# KiCad board SparkFun_GNSS_mosaic-T_panelized.kicad_pcb (continued)
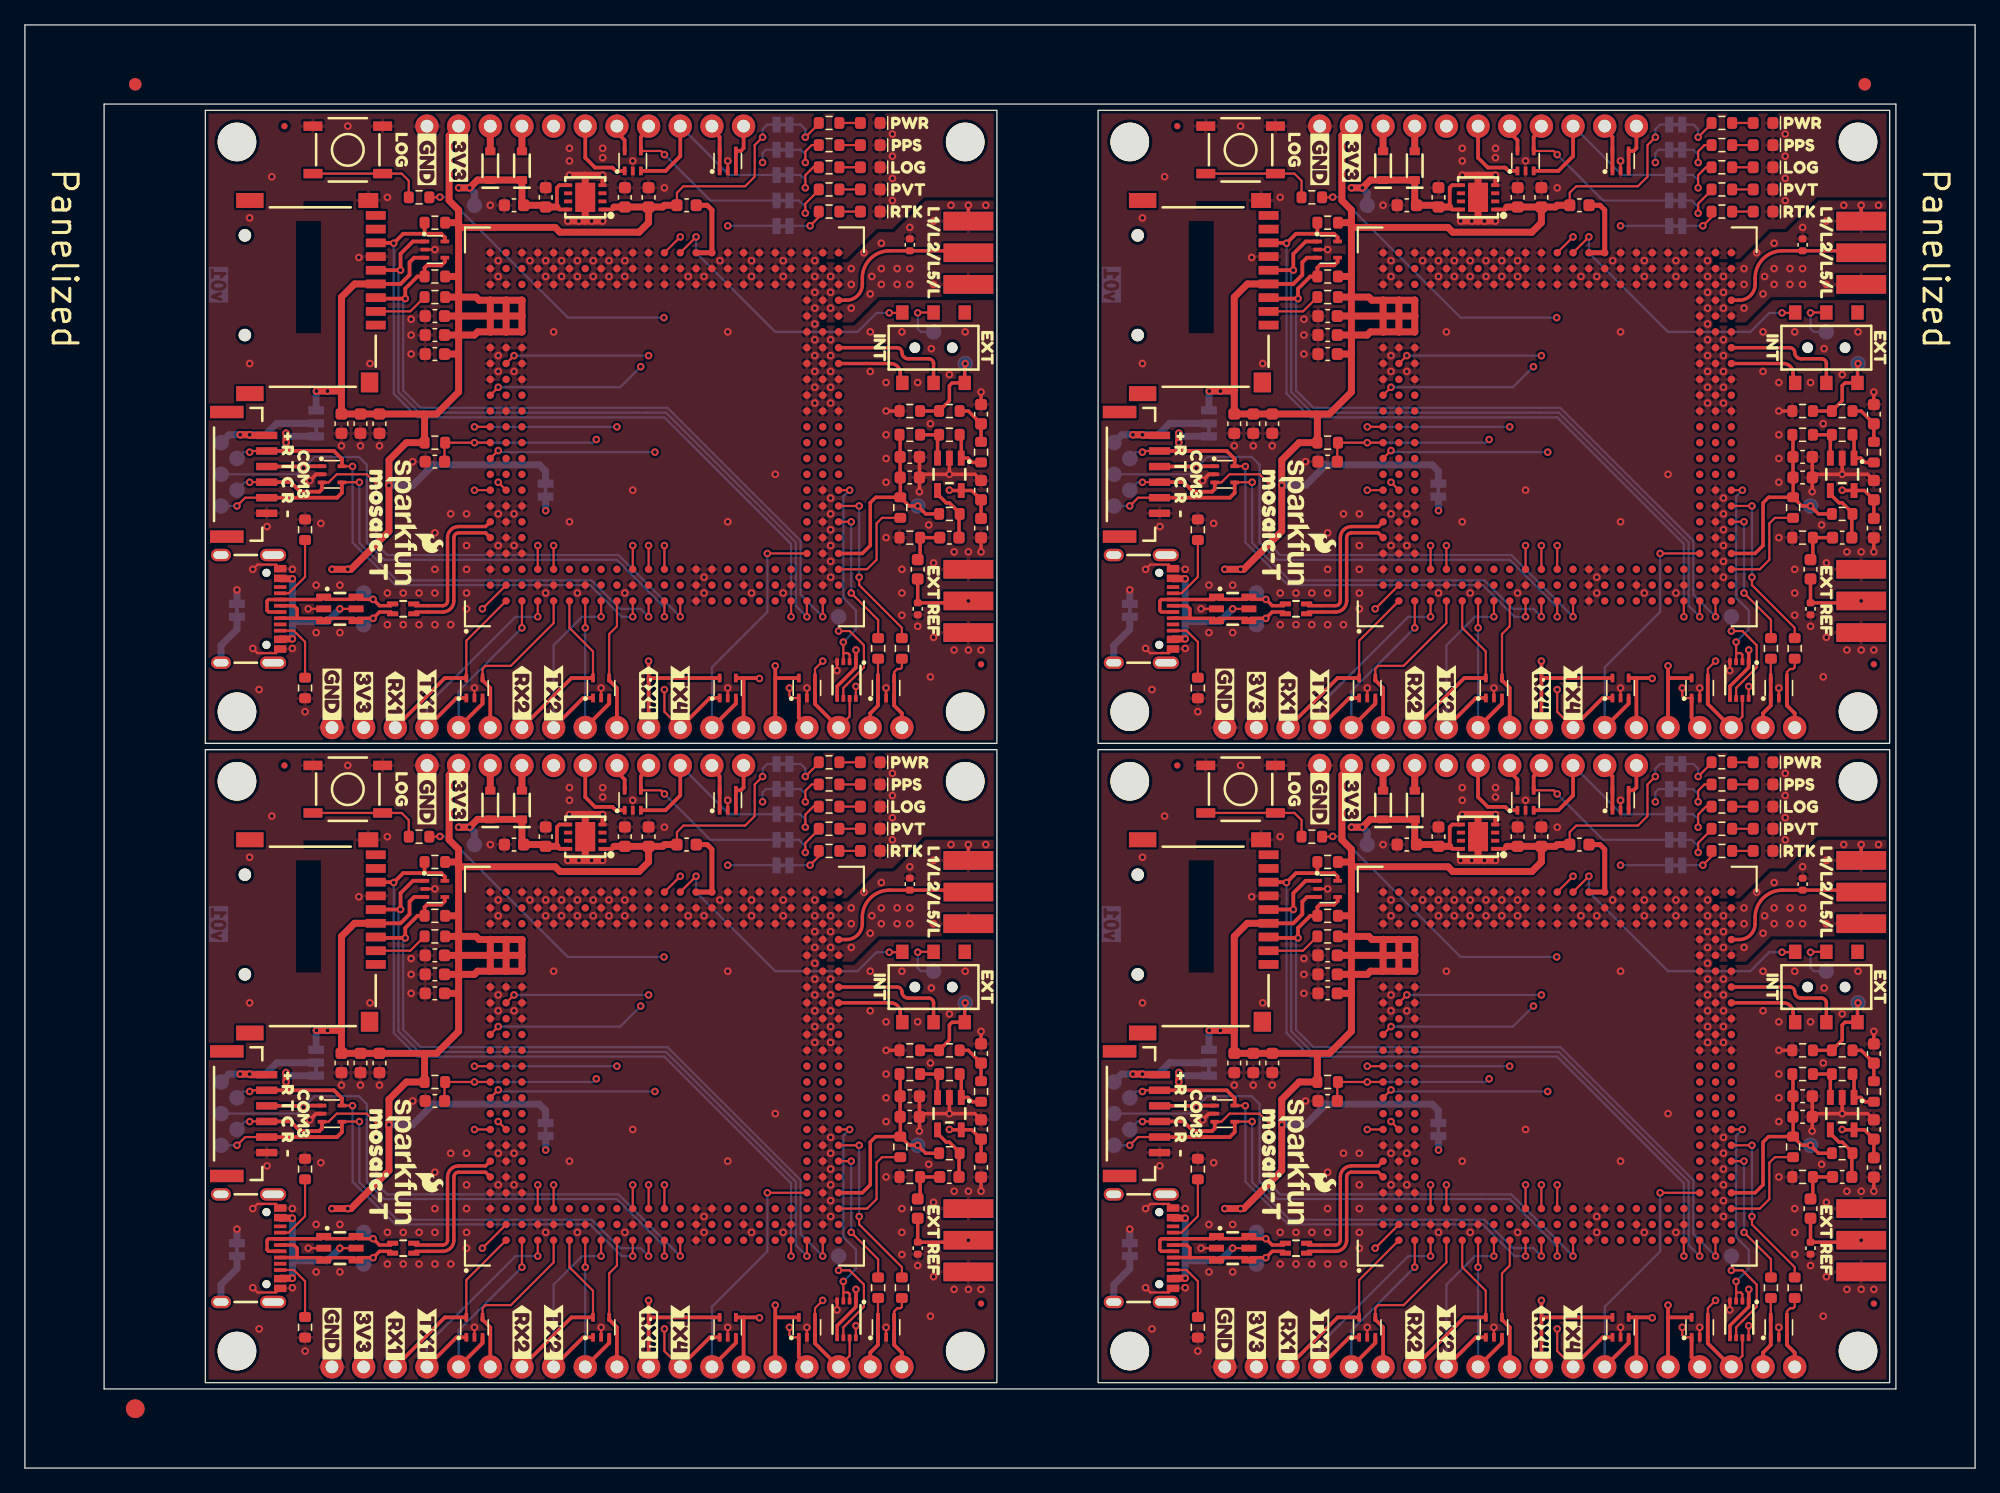
[diagram p0: board, top side]
## Routing (per net, layer and track width the routed paths; a pad name or vN(x,y) marks a point on that pad's centre or on a via; arc(x,y) is an arc through that point) (continued)
  Top w0.305: D14#4.5 25.43,80.97 24.79,81.62 J5#3.2 ; D14#3.5 97.05,29.67 96.41,30.31 J5#4.2 ; D14.5 97.05,80.97 96.41,81.62 J5.2 ; J5#2.2 24.79,30.31 25.43,29.67 D14#2.5
  Bottom w0.178: TP7.1 17.52,30.22 v1(18.03,30.22) ; TP7#3.1 17.52,81.52 v1(18.03,81.52) ; TP7#2.1 89.14,81.52 v1(89.65,81.52) ; v1(120.38,68.31) 119.49,68.31 116.95,70.85 101.33,70.85 97.9,74.28 v1(97.9,80.38) ; v1(48.76,17.01) 47.87,17.01 45.33,19.55 29.71,19.55 26.28,22.98 v1(26.28,29.08) ; v1(97.9,29.08) 97.9,22.98 101.33,19.55 116.95,19.55 119.49,17.01 v1(120.38,17.01) ; v1(48.76,68.31) 47.87,68.31 45.33,70.85 29.71,70.85 26.28,74.28 v1(26.28,80.38) ; TP7#4.1 89.14,30.22 v1(89.65,30.22)
RX4: length 113.8
  Top w0.178: U1#3.D3 v1(41.14,74.03) ; U1.D3 v1(41.14,22.73) ; U1#2.D3 v1(112.76,22.73) ; U1#4.D3 v1(112.76,74.03)
  Top w0.305: v1(50.03,64.75) 50.03,63.36 ; 50.03,63.36 50.07,63.39 D11#4.5 ; 50.03,63.36 J4#3.11 ; 121.65,63.36 121.69,63.39 D11.5 ; 121.65,63.36 J4#4.11 ; 121.65,63.36 v1(121.65,64.75) ; 50.03,12.06 J4.11 ; 50.03,12.06 50.07,12.09 D11#3.5 ; 50.03,12.06 v1(50.03,13.45) ; 121.65,12.06 J4#2.11 ; 121.65,12.06 121.69,12.09 D11#2.5 ; 121.65,12.06 v1(121.65,13.45)
  L3.Cu w0.178: v1(41.14,22.73) 41.14,18.03 45.71,13.45 v1(50.03,13.45) ; v1(41.14,74.03) 41.14,69.33 45.71,64.75 v1(50.03,64.75) ; v1(112.76,74.03) 112.76,69.33 117.33,64.75 v1(121.65,64.75) ; v1(121.65,13.45) 117.33,13.45 112.76,18.03 v1(112.76,22.73)
SD_CLK: length 240
  Top w0.178: U1.AA1 v1(62.73,17.01) ; v1(30.13,44.82) 30.12,44.81 ; v1(101.75,44.82) 101.74,44.81 ; U1#3.AA1 v1(62.73,68.31) ; U1#4.AA1 v1(134.35,68.31) ; v1(101.75,96.12) 101.74,96.11 ; U1#2.AA1 v1(134.35,17.01) ; v1(30.13,96.12) 30.12,96.11
  Top w0.305: J1.5 28.15,96.12 v1(30.13,96.12) 30.13,97.43 31.12,98.42 D1#2.1 ; J1#2.5 99.77,96.12 v1(101.75,96.12) 101.75,97.43 102.74,98.42 D1#3.1 ; D1.1 31.12,47.12 30.13,46.13 v1(30.13,44.82) 28.15,44.82 J1#3.5 ; D1#4.1 102.74,47.12 101.75,46.13 v1(101.75,44.82) 99.77,44.82 J1#4.5
  Bottom w0.178: v1(62.73,17.01) 61.84,17.9 61.84,22.98 51.43,33.39 31.62,33.39 29.96,35.04 29.96,44.66 v1(30.13,44.82) ; v1(62.73,68.31) 61.84,69.2 61.84,74.28 51.43,84.69 31.62,84.69 29.96,86.34 29.96,95.96 v1(30.13,96.12) ; v1(101.75,44.82) 101.58,44.66 101.58,35.04 103.24,33.39 123.05,33.39 133.46,22.98 133.46,17.9 v1(134.35,17.01) ; v1(101.75,96.12) 101.58,95.96 101.58,86.34 103.24,84.69 123.05,84.69 133.46,74.28 133.46,69.2 v1(134.35,68.31)
SD_CMD: length 242.1
  Top w0.178: U1#2.AB1 v1(135.62,17.01) ; v1(102.13,42.54) 102.05,42.61 ; v1(102.13,93.84) 102.05,93.91 ; U1#4.AB1 v1(135.62,68.31) ; U1.AB1 v1(64,17.01) ; v1(30.51,93.84) 30.43,93.91 ; U1#3.AB1 v1(64,68.31) ; v1(30.51,42.54) 30.43,42.61
  Top w0.305: D1#4.4 105.31,45.5 105.01,45.2 103.87,45.2 103.68,45.01 R2.1 103.11,44.31 102.13,43.34 v1(102.13,42.54) 99.84,42.54 J1#4.3 ; J1#2.3 99.84,93.84 v1(102.13,93.84) 102.13,94.64 103.11,95.62 R2#2.1 103.68,96.31 103.87,96.5 105.01,96.5 105.31,96.8 D1#3.4 ; J1.3 28.22,93.84 v1(30.51,93.84) 30.51,94.64 31.49,95.62 R2#3.1 32.06,96.31 32.25,96.5 33.39,96.5 33.69,96.8 33.69,97.12 ; J1#3.3 28.22,42.54 v1(30.51,42.54) 30.51,43.34 31.49,44.31 R2#4.1 32.06,45.01 32.25,45.2 33.39,45.2 33.69,45.5 33.69,45.82
  Bottom w0.178: v1(135.62,68.31) 133.84,70.09 133.84,74.41 123.17,85.07 103.36,85.07 101.97,86.47 101.97,93.67 v1(102.13,93.84) ; v1(135.62,17.01) 133.84,18.79 133.84,23.11 123.17,33.77 103.36,33.77 101.97,35.17 101.97,42.37 v1(102.13,42.54) ; v1(64,68.31) 62.22,70.09 62.22,74.41 51.55,85.07 31.74,85.07 30.34,86.47 30.34,93.67 v1(30.51,93.84) ; v1(30.51,42.54) 30.34,42.37 30.34,35.17 31.74,33.77 51.55,33.77 62.22,23.11 62.22,18.79 v1(64,17.01)
SD_DATA: length 253.2
  Top w0.178: 99.8,98.28 J1#2.7 ; U1.Y1 v1(61.46,17.01) ; U1#3.Y1 v1(61.46,68.31) ; U1#4.Y1 v1(133.08,68.31) ; 99.8,46.98 J1#4.7 ; 28.18,46.98 J1#3.7 ; 28.18,98.28 J1.7 ; U1#2.Y1 v1(133.08,17.01)
  Top w0.305: 33.69,98.42 33.69,98.75 33.39,99.04 32.06,99.04 ; 32.06,47.74 R1#2.1 ; 32.06,47.74 30.34,47.74 v1(29.58,46.98) 29.55,47.01 J1#3.7 ; 32.06,47.74 33.39,47.74 33.69,47.45 33.69,47.12 ; 103.68,47.74 R1.1 ; 103.68,47.74 101.97,47.74 v1(101.2,46.98) 101.17,47.01 J1#4.7 ; 103.68,47.74 105.01,47.74 105.31,47.45 D1#4.5 ; J1.7 29.55,98.31 v1(29.58,98.28) 30.34,99.04 32.06,99.04 ; J1#2.7 101.17,98.31 v1(101.2,98.28) 101.97,99.04 103.68,99.04 ; 32.06,99.04 R1#4.1 ; 103.68,99.04 R1#3.1 ; 103.68,99.04 105.01,99.04 105.31,98.75 D1#3.5
  Bottom w0.178: v1(61.46,17.01) 61.46,22.85 51.3,33.01 31.49,33.01 29.58,34.92 v1(29.58,46.98) ; v1(61.46,68.31) 61.46,74.15 51.3,84.31 31.49,84.31 29.58,86.22 v1(29.58,98.28) ; v1(133.08,17.01) 133.08,22.85 122.92,33.01 103.11,33.01 101.2,34.92 v1(101.2,46.98) ; v1(133.08,68.31) 133.08,74.15 122.92,84.31 103.11,84.31 101.2,86.22 v1(101.2,98.28)
TX1: length 76.1
  Top w0.178: U1#3.D1 v1(41.14,68.31) ; U1.D1 v1(41.14,17.01) ; U1#2.D1 v1(112.76,17.01) ; U1#4.D1 v1(112.76,68.31)
  Top w0.305: D13.1 34.62,10.5 J4.4 ; J4#4.4 106.25,61.8 D13#4.1 ; D13#2.1 106.25,10.5 J4#2.4 ; J4#3.4 34.62,61.8 D13#3.1
  Bottom w0.178: J4#2.4 103.87,9.9 110.98,17.01 v1(112.76,17.01) ; J4.4 32.25,9.9 39.36,17.01 v1(41.14,17.01) ; v1(112.76,68.31) 110.98,68.31 103.87,61.2 J4#4.4 ; J4#3.4 32.25,61.2 39.36,68.31 v1(41.14,68.31)
TX2: length 67.1
  Top w0.178: U1#4.H1 v1(117.84,68.31) ; U1#2.H1 v1(117.84,17.01) ; U1#3.H1 v1(46.22,68.31) ; U1.H1 v1(46.22,17.01)
  Top w0.305: J4.8 44.78,10.5 D12#3.1 ; J4#4.8 116.41,61.8 D12#4.1 ; D12#2.1 44.78,61.8 J4#3.8 ; J4#2.8 116.41,10.5 D12.1
  Bottom w0.178: J4#2.8 114.03,14.72 116.32,17.01 v1(117.84,17.01) ; J4.8 42.41,14.72 44.7,17.01 v1(46.22,17.01) ; J4#4.8 114.03,66.02 116.32,68.31 v1(117.84,68.31) ; v1(46.22,68.31) 44.7,68.31 42.41,66.02 J4#3.8
TX3: length 205.4
  Top w0.178: U1.M1 v1(51.3,17.01) ; U1#2.M1 v1(122.92,17.01) ; U1#3.M1 v1(51.3,68.31) ; U1#4.M1 v1(122.92,68.31)
  Top w0.305: J5#4.3 93.85,29.06 v1(93.96,28.95) 94.11,29.09 D14#3.1 ; D14#4.1 22.49,80.39 v1(22.34,80.25) 22.23,80.37 J5#3.3 ; D14.1 94.11,80.39 v1(93.96,80.25) 93.85,80.37 J5.3 ; D14#2.1 22.49,29.09 v1(22.34,28.95) 22.23,29.06 J5#2.3
  Bottom w0.178: TP6#3.1 93.46,79.74 v1(93.96,80.25) 94.85,81.14 98.41,81.14 99.04,80.5 99.04,74.28 100.44,72.88 119.11,72.88 122.92,69.07 v1(122.92,68.31) ; TP6#2.1 21.84,28.44 v1(22.34,28.95) 23.23,29.84 26.79,29.84 27.42,29.2 27.42,22.98 28.82,21.58 47.49,21.58 51.3,17.77 v1(51.3,17.01) ; TP6#4.1 93.46,28.44 v1(93.96,28.95) 94.85,29.84 98.41,29.84 99.04,29.2 99.04,22.98 100.44,21.58 119.11,21.58 122.92,17.77 v1(122.92,17.01) ; v1(51.3,68.31) 51.3,69.07 47.49,72.88 28.82,72.88 27.42,74.28 27.42,80.5 26.79,81.14 23.23,81.14 v1(22.34,80.25) 21.84,79.74 TP6.1
TX4: length 111
  Top w0.178: J4.12 51.3,9.39 v1(51.3,11.17) ; v1(122.92,62.47) 122.92,60.69 J4#4.12 ; U1#3.E3 v1(42.41,74.03) ; v1(51.3,62.47) 51.3,60.69 J4#3.12 ; U1#4.E3 v1(114.03,74.03) ; U1.E3 v1(42.41,22.73) ; J4#2.12 122.92,9.39 v1(122.92,11.17) ; U1#2.E3 v1(114.03,22.73)
  Top w0.305: 124.06,8.12 J4#2.12 126.56,10.5 D11#2.1 ; D11#4.1 54.94,61.8 J4#3.12 52.44,59.42 ; 124.06,59.42 J4#4.12 126.56,61.8 D11.1 ; 52.44,8.12 J4.12 54.94,10.5 D11#3.1
  L3.Cu w0.178: v1(42.41,74.03) 42.41,68.69 45.8,65.3 50.5,65.3 51.3,64.5 v1(51.3,62.47) ; v1(51.3,11.17) 51.3,13.2 50.5,14 45.8,14 42.41,17.39 v1(42.41,22.73) ; v1(122.92,62.47) 122.92,64.5 122.12,65.3 117.42,65.3 114.03,68.69 v1(114.03,74.03) ; v1(122.92,11.17) 122.92,13.2 122.12,14 117.42,14 114.03,17.39 v1(114.03,22.73)
VANT: length 24.5
  Top w0.406: U1.P23 U1.R23 55.11,49.65 54.73,50.03 L1.2 53.84,50.02 ; 125.46,101.32 L1#3.2 126.35,101.33 126.73,100.95 U1#4.R23 U1#4.P23 ; 125.46,50.02 L1#4.2 126.35,50.03 126.73,49.65 U1#2.R23 U1#2.P23 ; U1#3.P23 U1#3.R23 55.11,100.95 54.73,101.33 L1#2.2 53.84,101.32
VUSB: length 360.4
  Top w0.178: 98.19,17.64 v1(96.89,17.64) ; v1(36.06,27.17) U1.A8 ; v1(36.06,78.47) U1#3.A8 ; v1(107.68,27.17) U1#2.A8 ; v1(107.68,78.47) U1#4.A8 ; D17.5 v1(25.27,17.64) ; 98.19,68.94 v1(96.89,68.94) ; D17#4.5 v1(25.27,68.94)
  Top w0.559: J7#3.VBUS 20.52,15.23 v1(21.46,15.23) ; J7#4.VBUS 92.14,66.53 v1(93.08,66.53) ; J3.4 D18#4.2 ; v1(21.46,20.06) 20.52,20.06 J7#3.VBUS ; J3#4.4 D18.2 ; v1(21.46,66.53) 20.52,66.53 J7.VBUS ; v1(93.08,71.36) 92.14,71.36 J7#4.VBUS ; J3#2.4 D18#3.2 ; v1(21.46,71.36) 20.52,71.36 J7.VBUS ; v1(93.08,15.23) 92.14,15.23 J7#2.VBUS ; J7#2.VBUS 92.14,20.06 v1(93.08,20.06) ; J3#3.4 D18#2.2
  L3.Cu w0.178: v1(107.68,78.47) 106.41,78.47 v1(96.89,68.94) ; v1(107.68,27.17) 106.41,27.17 v1(96.89,17.64) ; v1(36.06,27.17) 34.79,27.17 v1(25.27,17.64) ; v1(25.27,68.94) 34.79,78.47 v1(36.06,78.47)
  L3.Cu w0.559: J3#2.4 108.7,53.59 94.47,53.59 91.3,50.41 91.3,25.14 94.09,22.34 94.09,20.57 93.58,20.06 v1(93.08,20.06) v1(93.08,15.23) ; v1(21.46,66.53) v1(21.46,71.36) 21.96,71.36 22.47,71.87 22.47,73.64 19.68,76.44 19.68,101.71 22.85,104.89 37.08,104.89 J3#4.4 ; v1(21.46,15.23) v1(21.46,20.06) 21.96,20.06 22.47,20.57 22.47,22.34 19.68,25.14 19.68,50.41 22.85,53.59 37.08,53.59 J3.4 ; J3#3.4 108.7,104.89 94.47,104.89 91.3,101.71 91.3,76.44 94.09,73.64 94.09,71.87 93.58,71.36 v1(93.08,71.36) v1(93.08,66.53)
  Bottom w0.559: v1(93.08,15.23) 93.08,16.63 ; 93.08,16.63 95.87,16.63 v1(96.89,17.64) ; 93.08,16.63 v1(93.08,20.06) ; 21.46,67.93 24.25,67.93 v1(25.27,68.94) ; 21.46,67.93 v1(21.46,66.53) ; 21.46,67.93 v1(21.46,71.36) ; v1(21.46,15.23) 21.46,16.63 ; 21.46,16.63 24.25,16.63 v1(25.27,17.64) ; 21.46,16.63 v1(21.46,20.06) ; v1(93.08,66.53) 93.08,67.93 ; 93.08,67.93 v1(93.08,71.36) ; 93.08,67.93 95.87,67.93 v1(96.89,68.94)
~{RESET}: length 192.7
  Top w0.178: U1#4.A11 R3.1 105.28,82.23 C3.1 ; U1#3.A11 R3#3.1 33.66,82.23 C3#2.1 ; C3#3.1 33.66,30.93 R3#4.1 U1.A11 ; U1#2.A11 R3#2.1 105.28,30.93 C3#4.1
  Top w0.305: D7#4.1 119.02,104.09 118.75,104.35 117.36,104.35 116.57,105.14 J3#3.6 ; J3#2.6 116.57,53.84 117.36,53.05 118.75,53.05 119.02,52.79 D7#2.1 ; J3.6 44.95,53.84 45.74,53.05 47.13,53.05 47.4,52.79 D7.1 ; D7#3.1 47.4,104.09 47.13,104.35 45.74,104.35 44.95,105.14 J3#4.6
  L3.Cu w0.178: J3#3.6 116.57,105.14 117.37,104.34 118.26,104.34 118.6,104 118.6,99.04 117.84,98.28 117.84,82.91 v1(117.46,82.53) ; v1(117.46,31.23) 117.84,31.62 117.84,46.98 118.6,47.74 118.6,52.7 118.26,53.04 117.37,53.04 116.57,53.84 J3#2.6 ; v1(45.84,82.53) 46.22,82.91 46.22,98.28 46.98,99.04 46.98,104 46.64,104.34 45.75,104.34 44.95,105.14 J3#4.6 ; J3.6 44.95,53.84 45.75,53.04 46.64,53.04 46.98,52.7 46.98,47.74 46.22,46.98 46.22,31.62 v1(45.84,31.23)
  Bottom w0.178: v1(45.84,31.23) 45.59,30.98 v1(36.06,30.98) ; v1(117.46,31.23) 117.21,30.98 v1(107.68,30.98) ; v1(45.84,82.53) 45.59,82.28 v1(36.06,82.28) ; v1(117.46,82.53) 117.21,82.28 v1(107.68,82.28)
Net-(C10-Pad2): length 13.7
  Top w0.282: C10#2.2 143.25,72.9 143.43,73.07 R14#2.2 C11#2.1 ; C10#3.2 71.63,72.9 71.81,73.07 R14.2 C11.1 ; C11#3.1 R14#4.2 143.43,21.77 143.25,21.59 143.24,21.59 ; C11#4.1 R14#3.2 71.81,21.77 71.63,21.59 71.62,21.59
Net-(C14-Pad1): length 14.4
  Top w0.282: R20#3.2 C14.1 76.7,83.8 75.68,84.82 R21#2.1 ; R20#4.2 C14#2.1 148.32,83.8 147.3,84.82 R21.1 ; R21#4.1 75.68,33.52 76.7,32.5 C14#3.1 R20.2 ; R20#2.2 C14#4.1 148.32,32.5 147.3,33.52 R21#3.1
Net-(D2-A): length 6.8
  Top w0.178: R6#2.1 D2#3.2 ; R6.1 D2#4.2 ; R6#3.1 D2#2.2 ; R6#4.1 D2.2
Net-(D3-A): length 6.8
  Top w0.178: R7.1 D3#4.2 ; R7#3.1 D3.2 ; R7#2.1 D3#3.2 ; R7#4.1 D3#2.2
Net-(D4-A): length 6.8
  Top w0.178: R10#3.1 D4#4.2 ; R10#4.1 D4#2.2 ; R10#2.1 D4.2 ; R10.1 D4#3.2
Net-(D5-A): length 6.8
  Top w0.178: R11.1 D5.2 ; R11#3.1 D5#3.2 ; R11#2.1 D5#2.2 ; R11#4.1 D5#4.2
Net-(D6-A): length 6.8
  Top w0.178: R12#2.1 D6#3.2 ; R12.1 D6.2 ; R12#4.1 D6#4.2 ; R12#3.1 D6#2.2
Net-(D16-A2): length 24.6
  Top w0.282: C10.1 D16#2.2 147.15,18.12 v1(147.3,18.28) 147.24,18.22 ; 75.62,18.22 v1(75.68,18.28) 75.53,18.12 D16#4.2 C10#4.1 ; C10#2.1 143.24,69.43 147.15,69.43 v1(147.3,69.58) 147.24,69.52 ; 75.62,69.52 v1(75.68,69.58) 75.53,69.43 71.62,69.43 C10#3.1
Net-(D17-I/O1): length 54.2
  Top w0.278: J7#2.A7 91.17,17.39 91.04,17.52 91.04,18.28 91.16,18.39 J7#2.B7 95.38,18.39 D17#3.1 95.77,18.41 98,18.41 D17#3.6 98.37,18.41 v1(99.55,18.41) 100.06,17.9 100.97,17.9 TR1#4.1 ; TR1#3.1 29.35,69.2 28.44,69.2 v1(27.93,69.71) 26.75,69.71 D17#4.6 26.38,69.71 24.15,69.71 D17#4.1 23.76,69.69 J7.B7 19.54,69.69 19.42,69.58 19.42,68.82 19.55,68.69 J7.A7 ; TR1.1 100.97,69.2 100.06,69.2 v1(99.55,69.71) 98.37,69.71 D17#2.6 98,69.71 95.77,69.71 D17#2.1 95.38,69.69 J7#4.B7 91.16,69.69 91.04,69.58 91.04,68.82 91.17,68.69 J7#4.A7 ; J7#3.A7 19.55,17.39 19.42,17.52 19.42,18.28 19.54,18.39 J7#3.B7 23.76,18.39 D17.1 24.15,18.41 26.38,18.41 D17.6 26.75,18.41 v1(27.93,18.41) 28.44,17.9 29.35,17.9 TR1#2.1
  Bottom w0.278: TP12.1 27.42,70.22 v1(27.93,69.71) ; TP12#2.1 27.42,18.92 v1(27.93,18.41) ; TP12#4.1 99.04,70.22 v1(99.55,69.71) ; v1(99.55,18.41) 99.04,18.92 TP12#3.1
Net-(D17-I/O2): length 51.2
  Top w0.278: J7#3.A6 21.59,17.89 21.84,17.64 21.84,16.88 ; 21.84,16.88 21.82,16.89 J7#3.B6 ; 21.84,16.88 23.78,16.88 D17.3 24.15,16.88 26.38,16.88 D17.4 26.75,16.88 v1(27.93,16.88) 28.44,17.39 29.35,17.39 29.5,17.25 ; TR1.3 100.97,68.69 100.06,68.69 v1(99.55,68.18) 98.37,68.18 D17#2.4 98,68.18 95.77,68.18 D17#2.3 95.4,68.18 93.46,68.18 ; 93.46,68.18 93.44,68.19 J7#4.B6 ; 93.46,68.18 93.46,68.94 93.21,69.19 J7#4.A6 ; J7#2.A6 93.21,17.89 93.46,17.64 93.46,16.88 ; 93.46,16.88 93.44,16.89 J7#2.B6 ; 93.46,16.88 95.4,16.88 D17#3.3 95.77,16.88 98,16.88 D17#3.4 98.37,16.88 v1(99.55,16.88) 100.06,17.39 100.97,17.39 101.12,17.25 ; 21.84,68.18 23.78,68.18 D17#4.3 24.15,68.18 26.38,68.18 D17#4.4 26.75,68.18 v1(27.93,68.18) 28.44,68.69 29.35,68.69 TR1#3.3 ; 21.84,68.18 21.82,68.19 J7.B6 ; 21.84,68.18 21.84,68.94 21.59,69.19 J7.A6
  Bottom w0.278: v1(27.93,68.18) 27.42,67.68 TP9#3.1 ; v1(27.93,16.88) 27.42,16.38 TP9#4.1 ; v1(99.55,16.88) 99.04,16.38 TP9.1 ; TP9#2.1 99.04,67.68 v1(99.55,68.18)
Net-(J1-DAT3/CD): length 17.6
  Top w0.178: J1#2.2 102.53,92.81 R4#2.1 ; R4#3.1 30.91,92.81 J1.2 ; R4#4.1 102.53,41.51 J1#4.2 ; J1#3.2 30.91,41.51 R4.1
Net-(J5-Pin_1): length 42.2
  Top w0.559: J5.1 89.7,82.87 v1(89.65,82.91) v1(88.88,82.91) 89.01,82.91 ; J5#4.1 89.7,31.56 v1(89.65,31.62) v1(88.88,31.62) 89.01,31.62 ; 17.39,82.91 v1(17.26,82.91) v1(18.03,82.91) 18.08,82.87 J5#3.1 ; 17.39,31.62 v1(17.26,31.62) v1(18.03,31.62) 18.08,31.56 J5#2.1
  Bottom w0.559: TP13#3.1 16.38,82.91 v1(17.26,82.91) v1(18.03,82.91) 19.3,82.91 20.21,83.83 VOUT1.2 ; VOUT1#4.2 20.21,32.53 19.3,31.62 v1(18.03,31.62) v1(17.26,31.62) 16.38,31.62 TP13#4.1 ; TP13.1 88,31.62 v1(88.88,31.62) v1(89.65,31.62) 90.92,31.62 91.83,32.53 VOUT1#2.2 ; TP13#2.1 88,82.91 v1(88.88,82.91) v1(89.65,82.91) 90.92,82.91 91.83,83.83 VOUT1#3.2
Net-(J7-CC1): length 22
  Top w0.178: J7.A5 21.16,70.19 22.47,71.51 R18#2.2 ; R18#4.2 94.09,71.51 92.78,70.19 J7#4.A5 ; J7#2.A5 92.78,18.89 94.09,20.21 R18.2 ; R18#3.2 22.47,20.21 21.16,18.89 J7#3.A5
Net-(J7-CC2): length 20.9
  Top w0.178: J7#3.B5 21.57,15.89 22.47,14.99 R17#2.2 ; R17#4.2 94.09,66.29 93.19,67.2 92.1,67.2 ; J7#2.B5 93.19,15.89 94.09,14.99 R17#3.2 ; 20.48,67.2 21.57,67.2 22.47,66.29 R17.2
Net-(J7-SHIELD): length 16.9
  Bottom w0.559: J7.S 15.73,66.01 17.01,67.29 SHLD1#4.2 ; J7#4.S 87.34,66.01 88.63,67.29 SHLD1#3.2 ; J7#2.S 87.34,14.71 88.63,15.99 SHLD1.2 ; SHLD1#2.2 17.01,15.99 15.73,14.71 J7#3.S
Net-(LOG1-A): length 17.7
  Top w0.178: v1(134.22,102.73) 134.22,103.74 134.86,104.38 R10#2.2 ; R10#4.2 63.24,53.08 62.6,52.44 v1(62.6,51.43) ; v1(134.22,51.43) 134.22,52.44 134.86,53.08 R10.2 ; R10#3.2 63.24,104.38 62.6,103.74 v1(62.6,102.73)
  Bottom w0.178: v1(62.6,102.73) 62.6,103.36 62.2,103.76 LOG1#3.1 ; v1(134.22,51.43) 134.22,52.06 133.82,52.46 LOG1#2.1 ; LOG1#4.1 62.2,52.46 62.6,52.06 v1(62.6,51.43) ; LOG1.1 133.82,103.76 134.22,103.36 v1(134.22,102.73)
Net-(PPS1-A): length 17
  Top w0.178: v1(134.22,53.46) 134.22,54.35 134.73,54.86 R12#3.2 ; R12#4.2 134.73,106.16 134.22,105.65 v1(134.22,104.76) ; v1(62.6,53.46) 62.6,54.35 63.11,54.86 R12#2.2 ; R12.2 63.11,106.16 62.6,105.65 v1(62.6,104.76)
  Bottom w0.178: PPS1#2.1 62.21,105.78 62.6,105.39 v1(62.6,104.76) ; v1(134.22,53.46) 134.22,54.09 133.83,54.48 PPS1#3.1 ; v1(62.6,53.46) 62.6,54.09 62.21,54.48 PPS1.1 ; PPS1#4.1 133.83,105.78 134.22,105.39 v1(134.22,104.76)
Net-(PVT1-A): length 17.4
  Top w0.178: R7#2.2 135.3,51.24 134.22,50.16 v1(134.22,49.39) ; R7#3.2 135.3,102.54 134.22,101.46 v1(134.22,100.7) ; R7#4.2 63.68,102.54 62.6,101.46 v1(62.6,100.7) ; R7.2 63.68,51.24 62.6,50.16 v1(62.6,49.39)
  Bottom w0.178: v1(134.22,100.7) 134.22,101.2 133.72,101.71 PVT1#3.1 ; PVT1.1 62.09,101.71 62.6,101.2 v1(62.6,100.7) ; PVT1#2.1 133.72,50.41 134.22,49.9 v1(134.22,49.39) ; PVT1#4.1 62.09,50.41 62.6,49.9 v1(62.6,49.39)
Net-(PWR1-A): length 14.6
  Top w0.178: R6.2 135.3,107.87 v1(134.22,106.79) ; v1(134.22,55.49) 135.3,56.57 R6#2.2 ; R6#3.2 63.68,56.57 v1(62.6,55.49) ; v1(62.6,106.79) 63.68,107.87 R6#4.2
  Bottom w0.178: v1(62.6,55.49) 62.6,56.13 62.23,56.5 PWR1.1 ; v1(134.22,55.49) 134.22,56.13 133.85,56.5 PWR1#3.1 ; PWR1#2.1 133.85,107.8 134.22,107.43 v1(134.22,106.79) ; PWR1#4.1 62.23,107.8 62.6,107.43 v1(62.6,106.79)
Net-(R13-Pad1): length 37
  Top w0.178: R13#2.1 102.41,52 101.84,52.57 SW2#3.2 SW2#3.2 ; SW2#2.2 SW2#2.2 30.22,103.87 30.79,103.3 R13#4.1 ; R13#3.1 102.41,103.3 101.84,103.87 SW2.2 SW2.2 ; SW2#4.2 SW2#4.2 30.22,52.57 30.79,52 R13.1
Net-(R19-Pad2): length 14.6
  Top w0.282: 148.32,80.69 147.62,80.69 147.27,81.04 U3#3.1 146.73,82.79 R19#2.2 ; R20.1 76,29.39 75.65,29.74 U3#2.1 75.11,31.49 R19#4.2 ; R19.2 75.11,82.79 U3.1 75.65,81.04 76,80.69 76.7,80.69 ; R19#3.2 146.73,31.49 U3#4.1 147.27,29.74 147.62,29.39 R20#2.1
Net-(RTK1-A): length 12.4
  Top w0.178: v1(62.98,48.38) 63.68,49.08 R11#4.2 ; v1(134.6,99.68) 135.3,100.38 R11#2.2 ; R11.2 135.3,49.08 v1(134.6,48.38) ; v1(62.98,99.68) 63.68,100.38 R11#3.2
  Bottom w0.178: RTK1#4.1 132.97,99.68 v1(134.6,99.68) ; v1(62.98,48.38) 61.35,48.38 RTK1#2.1 ; v1(62.98,99.68) 61.35,99.68 RTK1.1 ; v1(134.6,48.38) 132.97,48.38 RTK1#3.1
Net-(U1-EVENTA): length 45
  Top w0.178: v1(137.91,18.92) 140.06,16.76 R8#2.1 ; v1(66.29,24.63) U1.AC6 ; v1(66.29,18.92) 68.44,16.76 R8#4.1 ; v1(137.91,70.22) 140.06,68.06 R8.1 ; v1(137.91,24.63) U1#2.AC6 ; R8#3.1 68.44,68.06 v1(66.29,70.22) ; v1(66.29,75.93) U1#3.AC6 ; v1(137.91,75.93) U1#4.AC6
  Bottom w0.178: v1(137.91,18.92) v1(137.91,24.63) ; v1(66.29,70.22) v1(66.29,75.93) ; v1(66.29,18.92) v1(66.29,24.63) ; v1(137.91,70.22) v1(137.91,75.93)
Net-(U1-EVENTB): length 54.7
  Top w0.178: R9#4.1 70.35,16.12 66.92,19.55 v1(66.92,20.19) ; v1(66.92,71.48) 66.92,70.85 70.35,67.42 R9#2.1 ; U1.AC7 v1(66.92,25.9) ; v1(138.54,20.19) 138.54,19.55 141.97,16.12 R9.1 ; v1(138.54,71.48) 138.54,70.85 141.97,67.42 R9#3.1 ; U1#2.AC7 v1(138.54,25.9) ; U1#3.AC7 v1(66.92,77.2) ; U1#4.AC7 v1(138.54,77.2)
  Bottom w0.178: v1(66.92,71.48) v1(66.92,77.2) ; v1(138.54,71.48) v1(138.54,77.2) ; v1(66.92,20.19) v1(66.92,25.9) ; v1(138.54,20.19) v1(138.54,25.9)
Net-(U1-SYNC): length 33.5
  Top w0.178: R5#2.2 140.38,24.95 139.94,24.5 139.94,21.58 139.18,20.82 U1#2.AC3 ; U1.AC3 67.56,20.82 68.32,21.58 68.32,24.5 68.76,24.95 R5#4.2 ; R5#3.2 68.76,76.25 68.32,75.8 68.32,72.88 67.56,72.12 U1#3.AC3 ; U1#4.AC3 139.18,72.12 139.94,72.88 139.94,75.8 140.38,76.25 R5.2
Net-(U2-2B): length 34.4
  Top w0.178: 137.28,61.75 137.28,62.6 138.92,64.25 138.92,66.02 137.78,67.17 v1(136.89,67.17) ; 137.28,10.45 137.28,11.3 138.92,12.95 138.92,14.72 137.78,15.87 v1(136.89,15.87) ; v1(65.27,15.87) 66.16,15.87 67.3,14.72 67.3,12.95 65.66,11.3 65.66,10.45 ; v1(65.27,67.17) 66.16,67.17 67.3,66.02 67.3,64.25 65.66,62.6 65.66,61.75
  Bottom w0.178: v1(65.27,67.17) TP3.1 ; v1(65.27,15.87) TP3#4.1 ; v1(136.89,67.17) TP3#2.1 ; v1(136.89,15.87) TP3#3.1
Net-(U3-+): length 13.8
  Top w0.282: U3#4.3 144.83,31.49 R19#3.1 R15#4.1 ; R15.1 R19#4.1 73.21,31.49 U3#2.3 ; R15#3.1 R19.1 73.21,82.79 U3.3 ; U3#3.3 144.83,82.79 R19#2.1 R15#2.1
Net-(U3--): length 18.7
  Top w0.282: U3#2.4 73.21,26.85 73.91,26.15 74.16,26.15 74.99,25.33 R16#4.1 74.94,25.22 C11#4.2 ; C11#2.2 146.56,76.52 R16.1 146.61,76.63 145.78,77.45 145.53,77.45 144.83,78.15 U3#3.4 ; C11.2 74.94,76.52 R16#2.1 74.99,76.63 74.16,77.45 73.91,77.45 73.21,78.15 U3.4 ; U3#4.4 144.83,26.85 145.53,26.15 145.78,26.15 146.61,25.33 R16#3.1 146.56,25.22 C11#3.2

## Copper pours and planes (outline as drawn; the poured copper is in the pictures)
GND on Top, Bottom, L2.Cu: 86.09,6.85 86.09,57.65 149.59,57.65 149.59,6.85
GND on Top, Bottom, L2.Cu: 86.09,58.15 86.09,108.95 149.59,108.95 149.59,58.15
GND on Top, Bottom, L2.Cu: 14.47,6.85 14.47,57.65 77.97,57.65 77.97,6.85
GND on Top, Bottom, L2.Cu: 14.47,58.15 14.47,108.95 77.97,108.95 77.97,58.15

## Text on the board
Bottom: v01
V-score: V-SCORE | ROUTE OUT
Fab.Info: Layers: 4 | Solder Mask: Red | Silkscreen Color: White | Thickness: 1.6mm | Finish: ENIG | Controlled Impedance: JLC04161H-7628 | Material: TG135 | No Clean Process | Outer Copper Weight: 1oz | Inner Copper Weight: 0.5oz | Ordering Notes
F.Silkscreen: Panelized
